# Altium PCB VESC_KS75600.PcbDoc (part 1 of 3)
Units mm, origin at the board's own origin, x right, y up, seen from the top; angles counter-clockwise.
Board outline 174 x 106 mm, 4 copper layers (TL, S1, S2, BL), stack 1.58 mm thick; 300 components, 160 nets, 892 pads, 642 vias.
Unrouted connection lines stored in the file: 213.
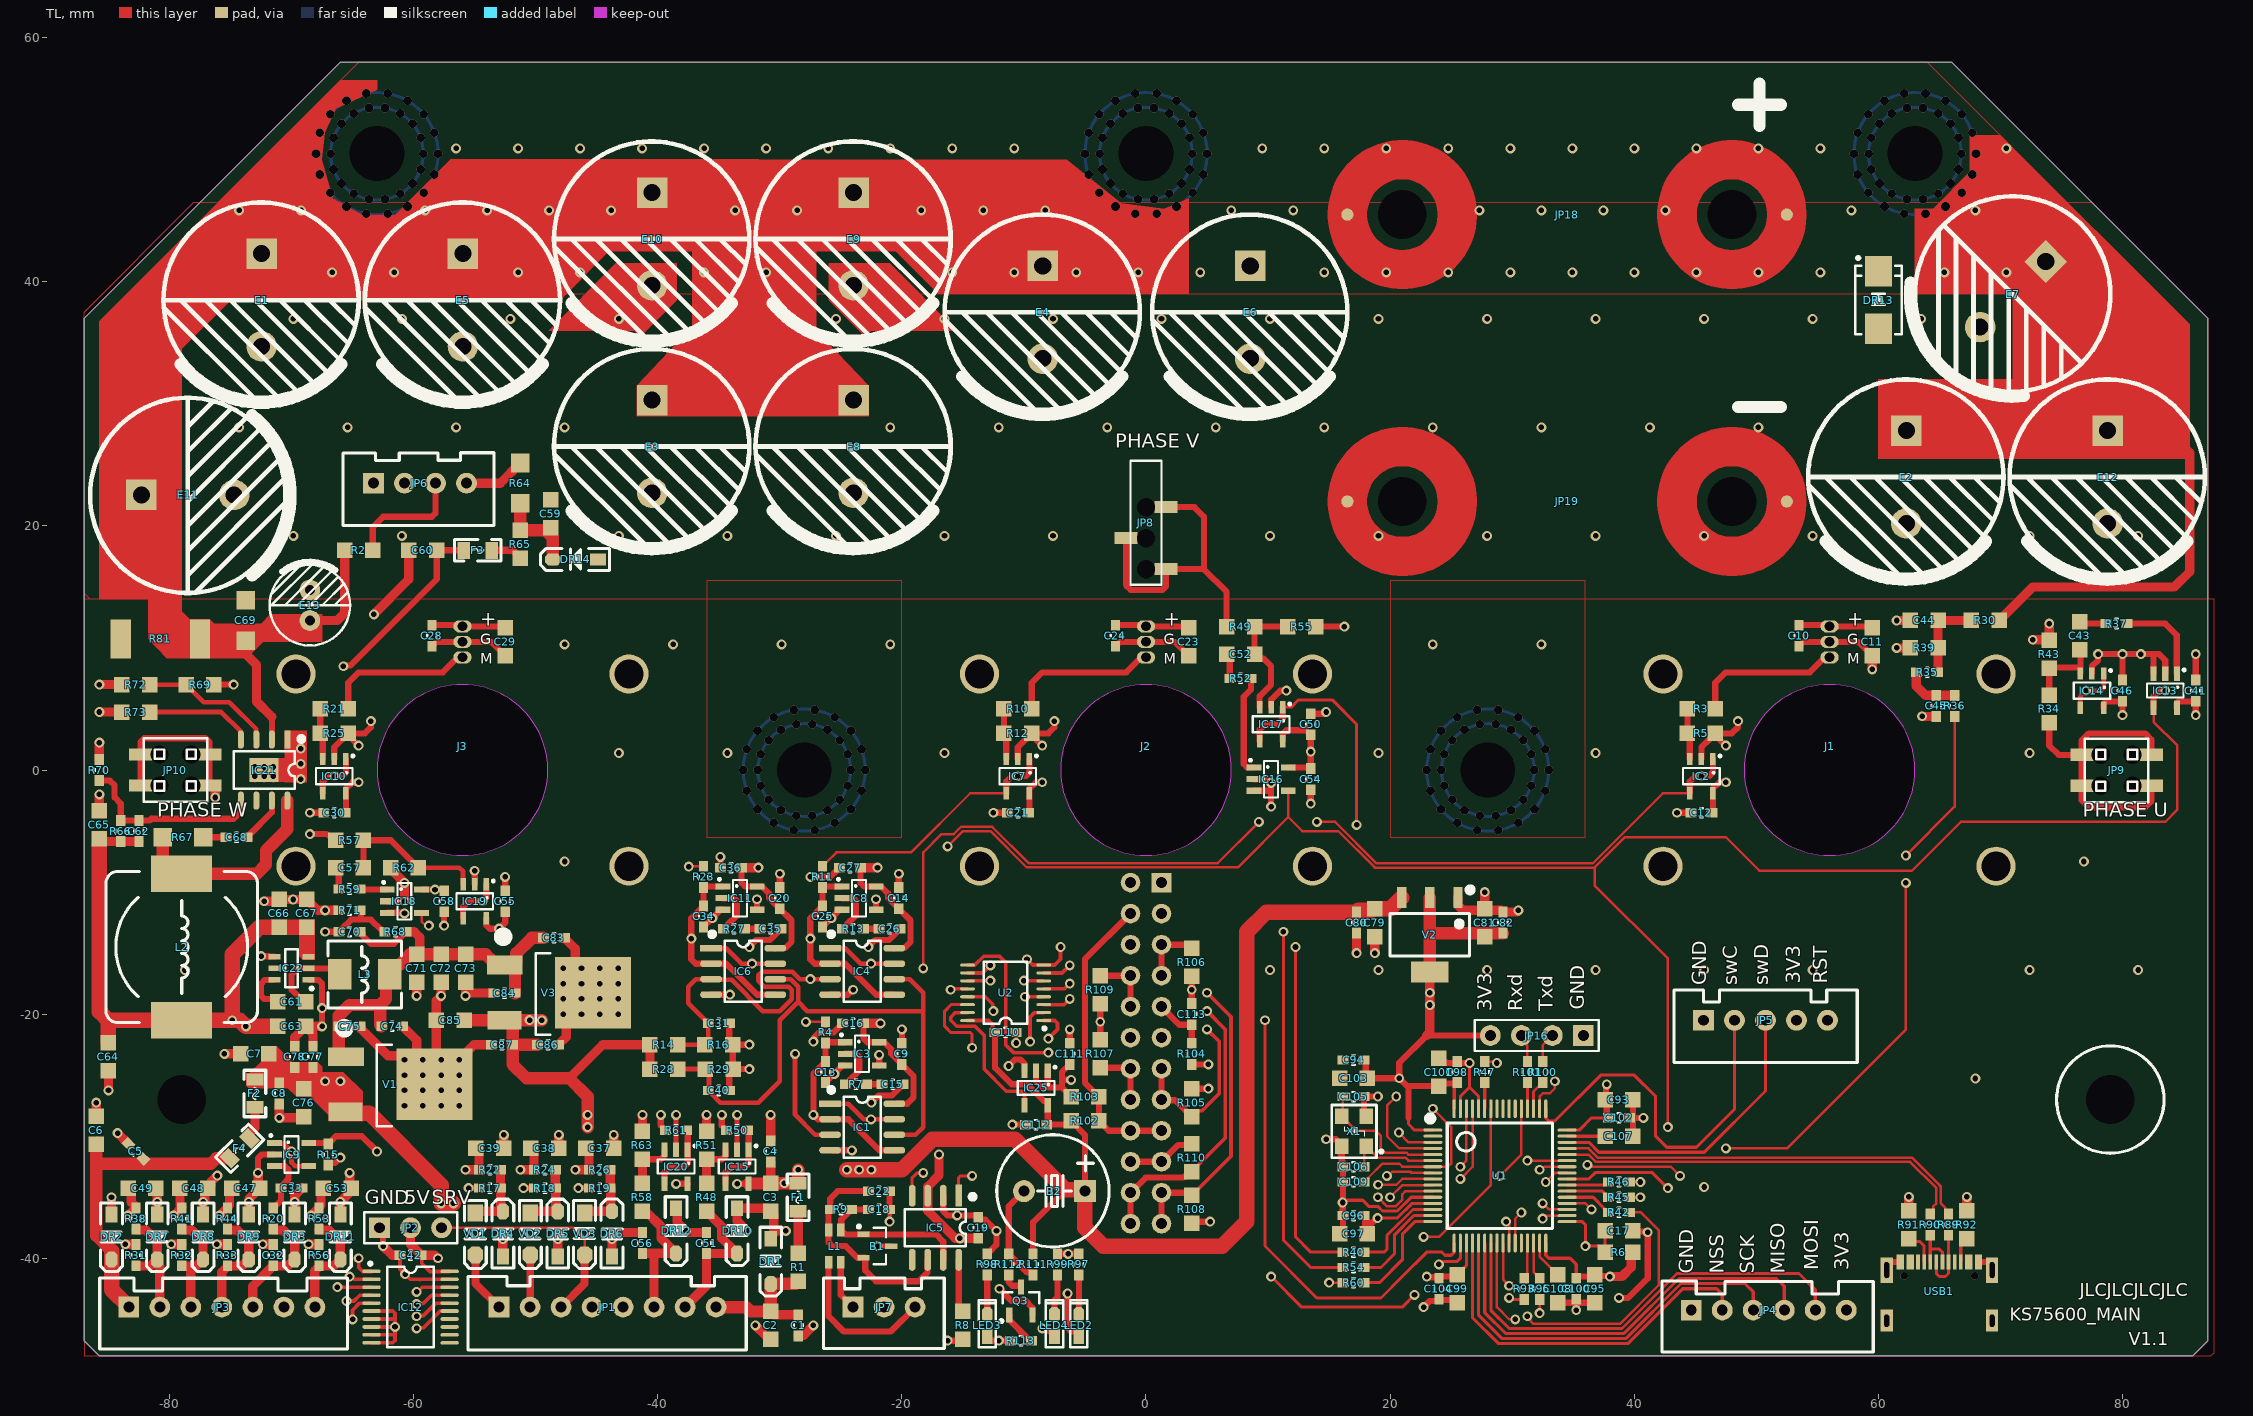
[diagram p0: TL view]
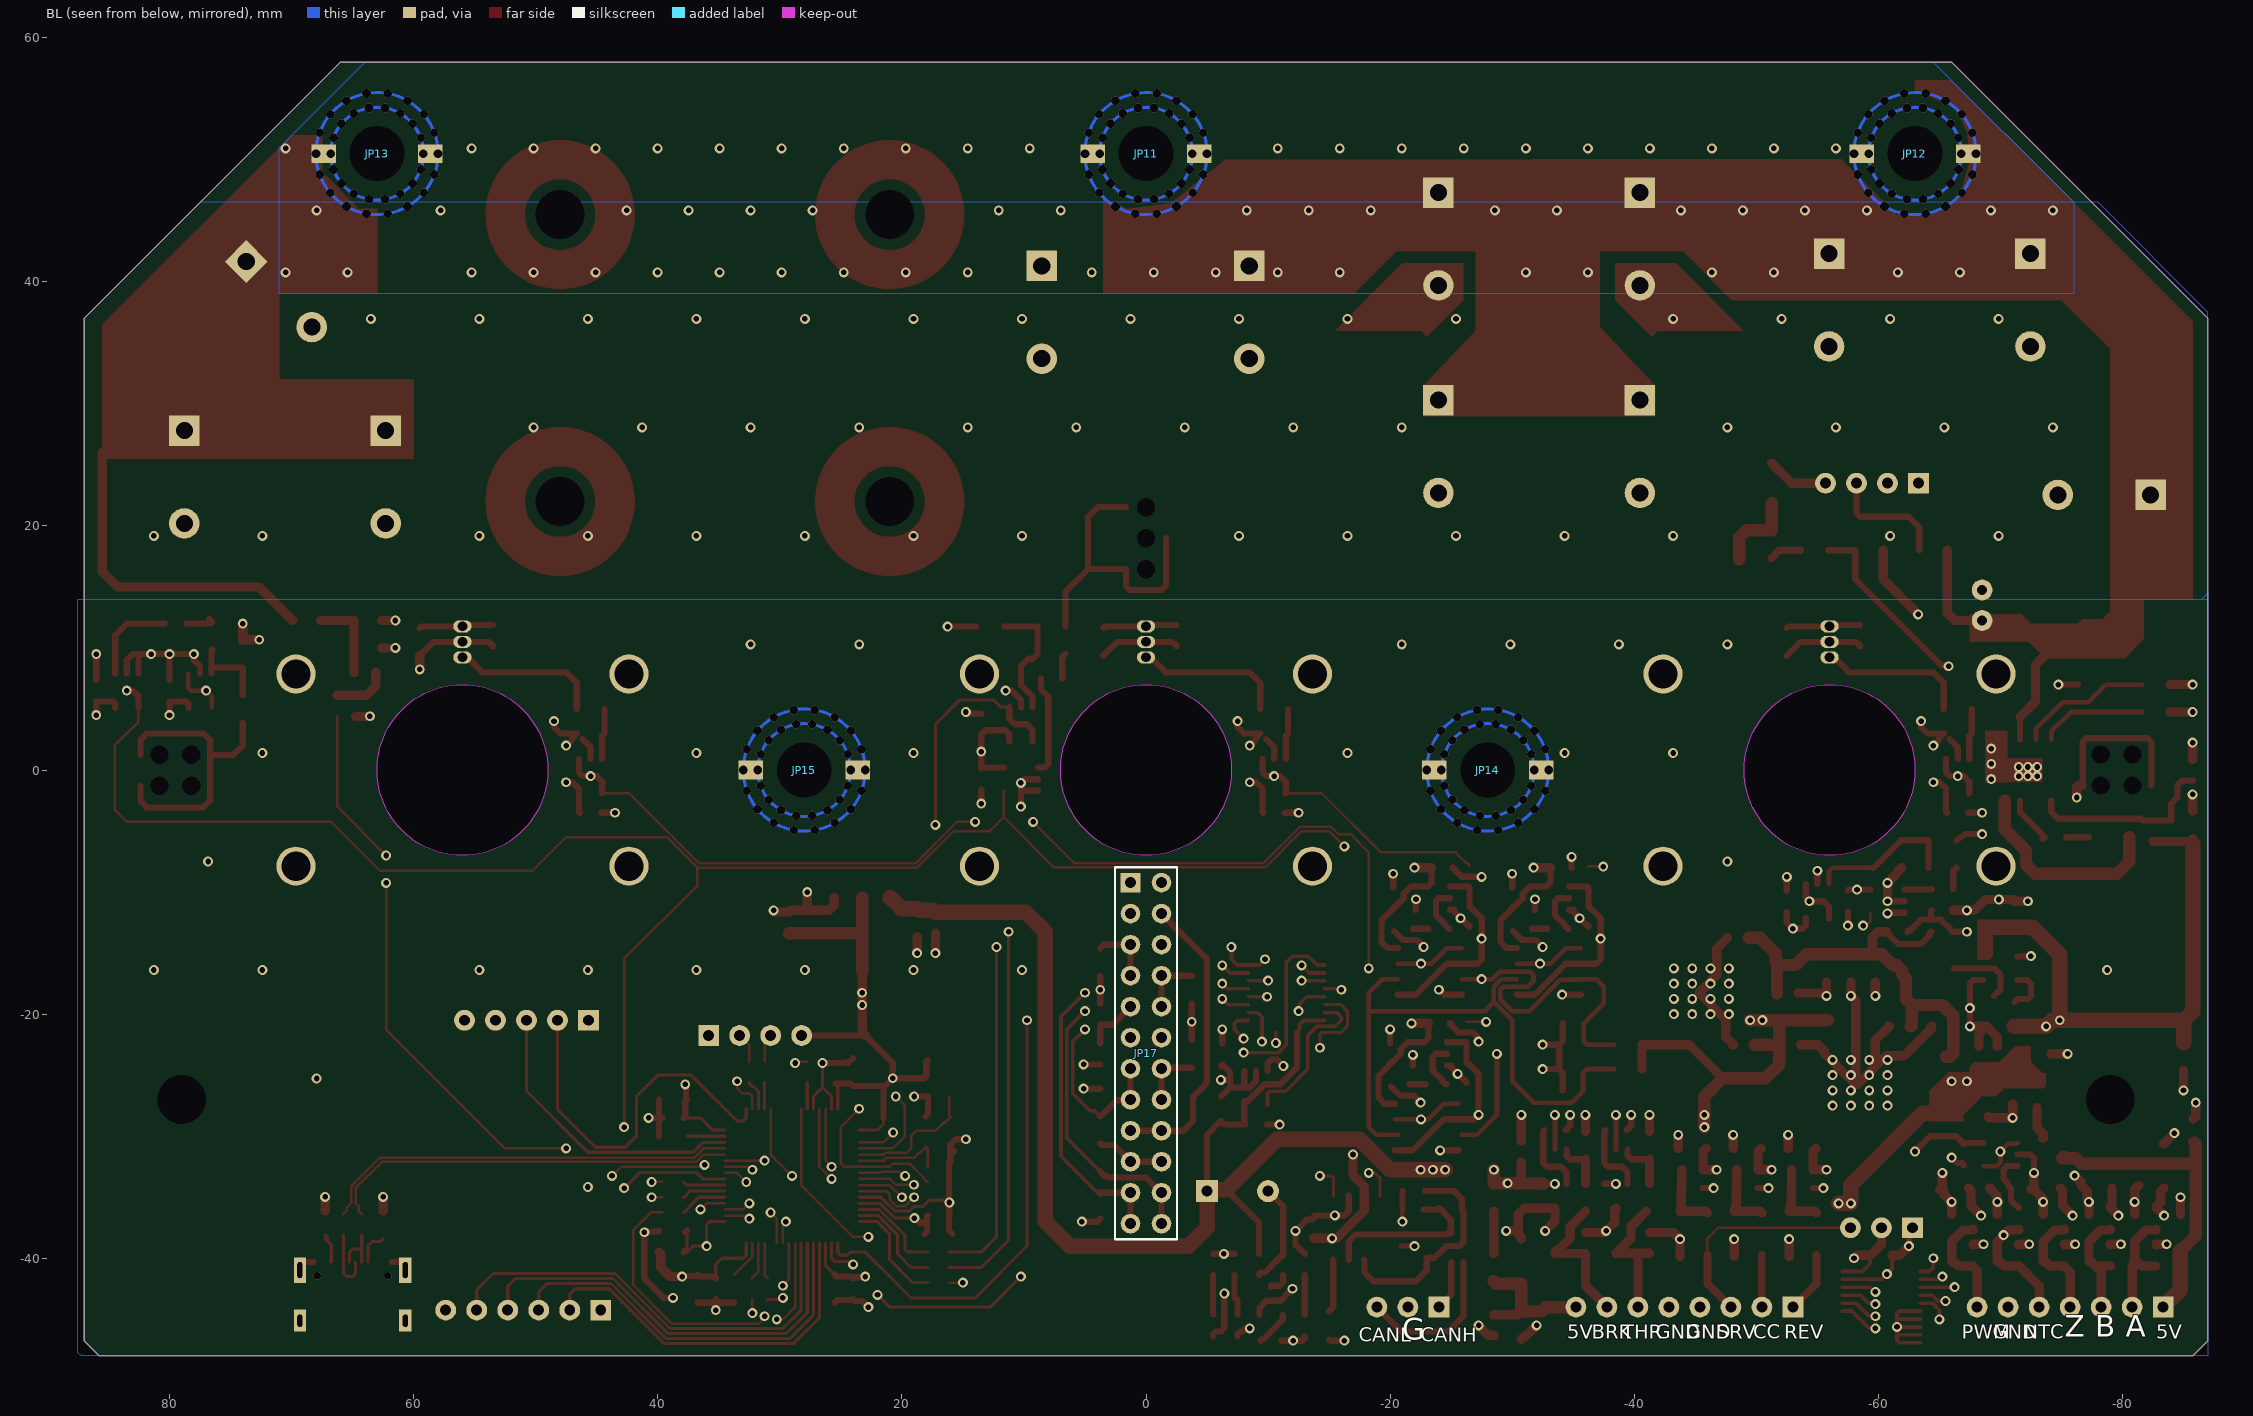
[diagram p1: BL view, seen from below]
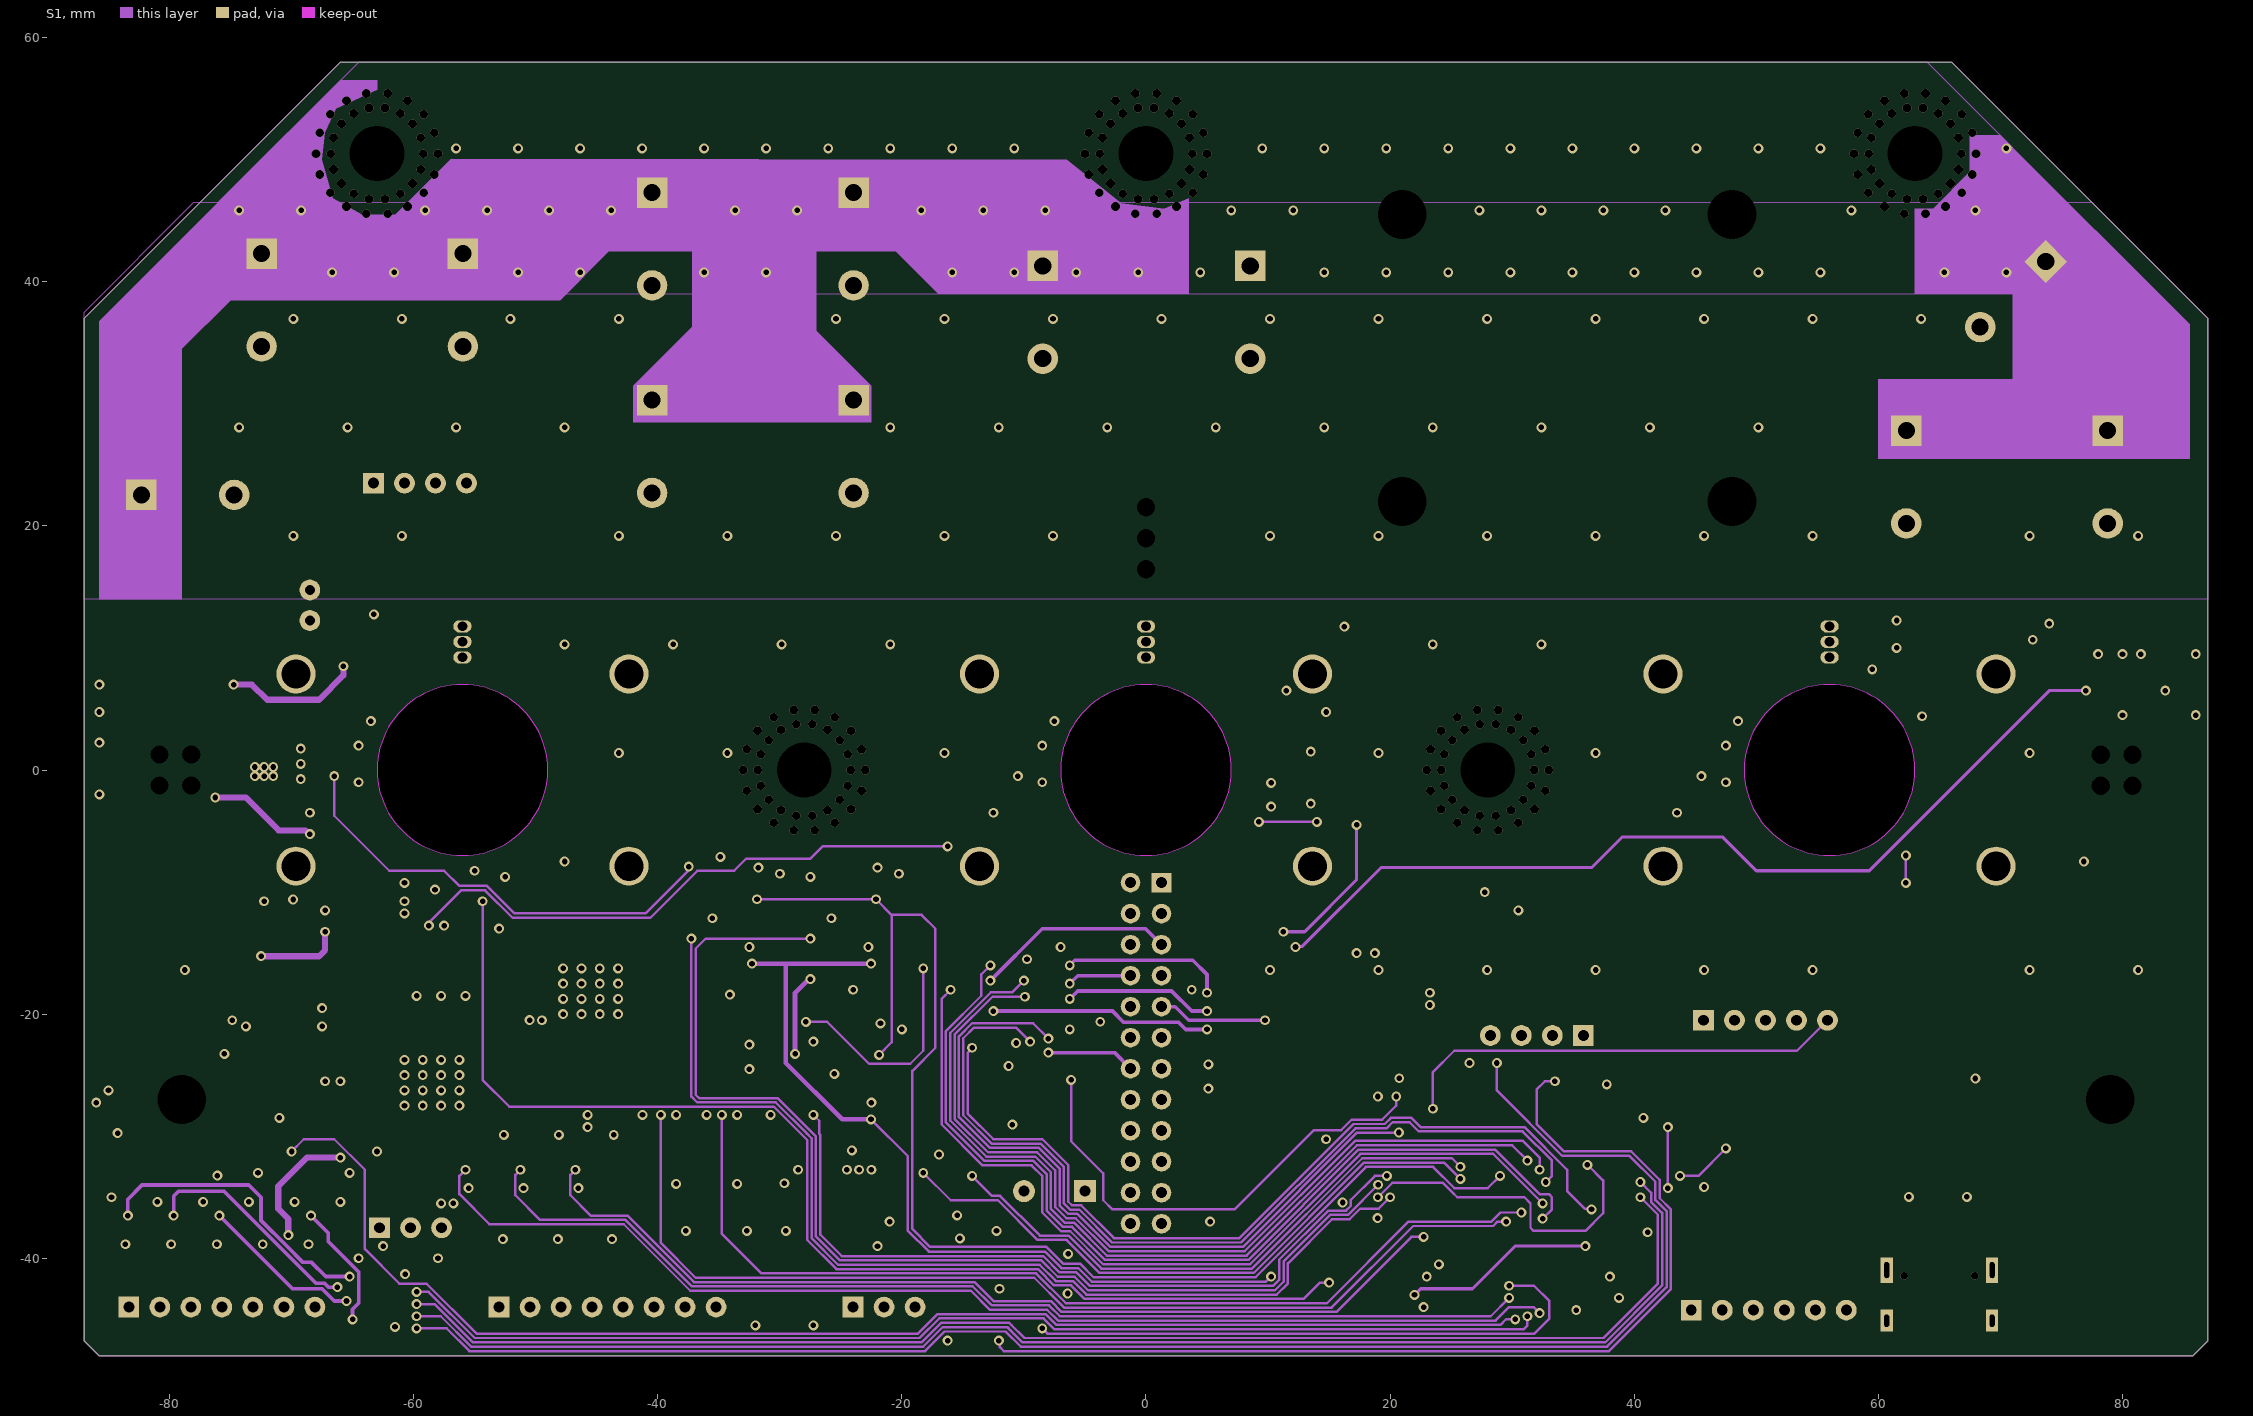
[diagram p2: S1]
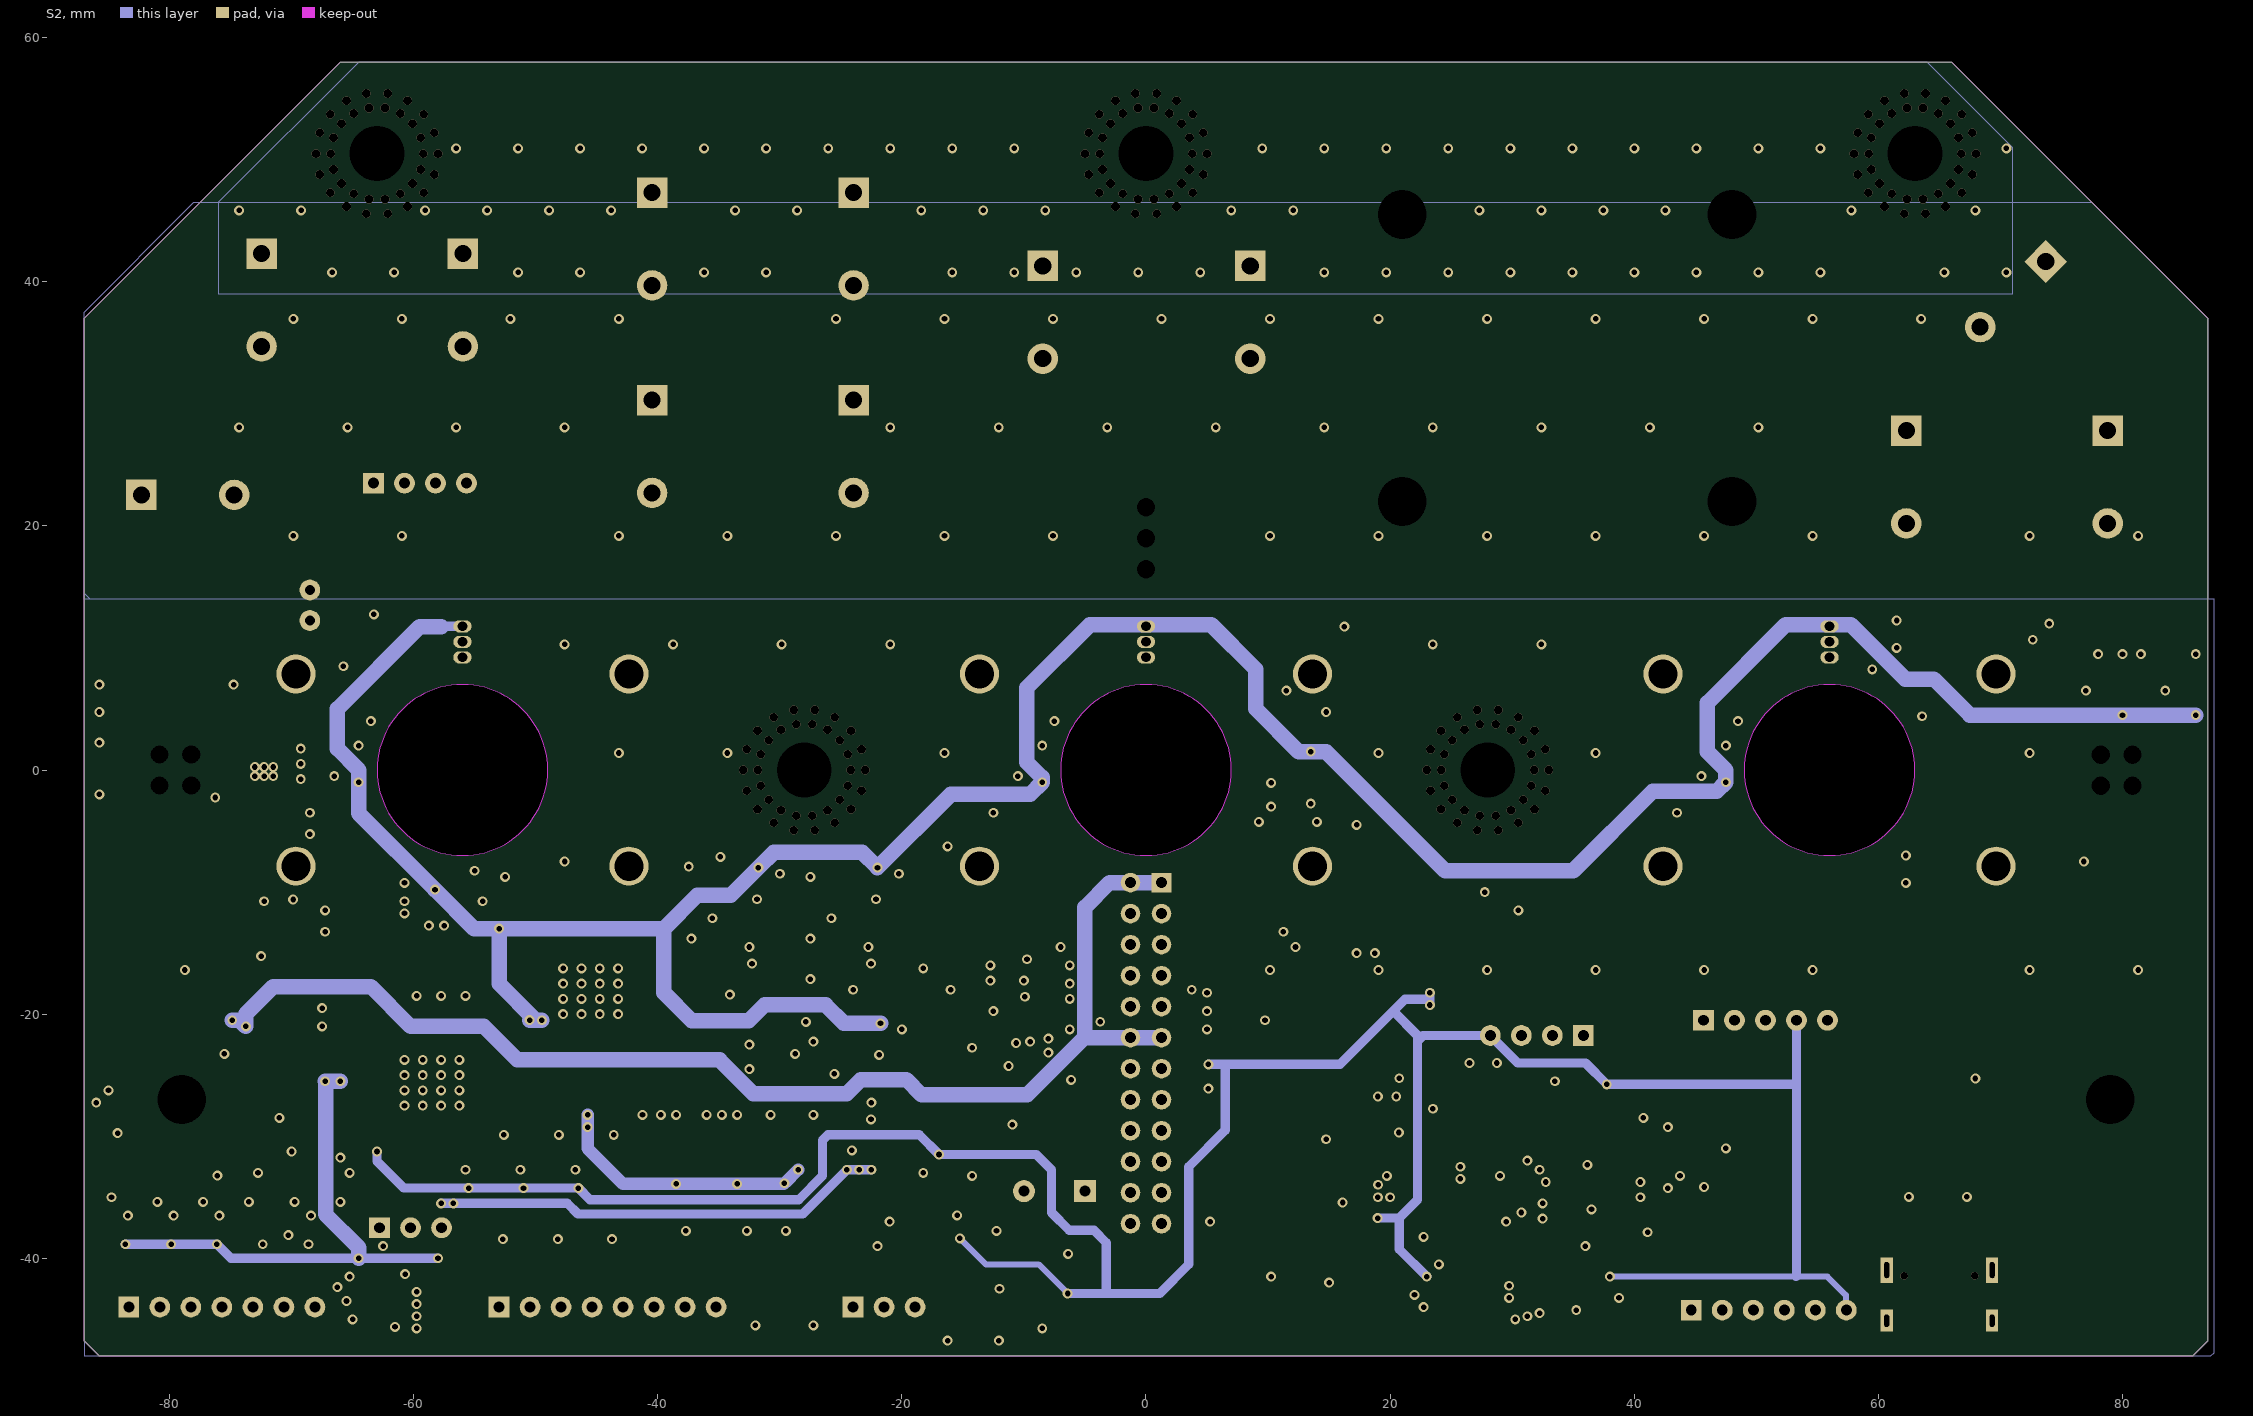
[diagram p3: S2]

## Layer stack, top to bottom
Top Solder: solder mask 0.01, Solder Resist, Dk 3.5
TL: signal copper 0.01
Dielectric 2: prepreg 0.01, PP-006, Dk 4.1
S1: signal copper 0.01
Dielectric 1: dielectric 1.52, FR-4, Dk 4.8
S2: signal copper 0.01
Dielectric 3: prepreg 0.01, PP-006, Dk 4.1
BL: signal copper 0.01
Bottom Solder: solder mask 0.01, Solder Resist, Dk 3.5

## Board outline
-87,-46.75 -85.75,-48 85.75,-48 87,-46.75 87,37 66,58 -66,58 -87,37
cut-out: 49,0 ccw(c56,0) 56,-7 ccw(c56,0) 63,0 ccw(c56,0) 56,7 ccw(c56,0)
cut-out: -7,0 ccw(c0,0) 0,-7 ccw(c0,0) 7,0 ccw(c0,0) 0,7 ccw(c0,0)
cut-out: -63,0 ccw(c-56,0) -56,-7 ccw(c-56,0) -49,0 ccw(c-56,0) -56,7 ccw(c-56,0)

## Design rules (kind name [scope] priority, off if disabled: settings)
BoardOutlineClearance [All] p1: gap=0.3 ignorepadtopadclearanceinfootprint=FALSE except(0: Text-OutlineEdge Text-CavityEdge Text-CutoutEdge Text-SplitBarrior Text-SplitContinuation)
Clearance 相线 [InNetClass('相线')] p1: gap=0.8 ignorepadtopadclearanceinfootprint=TRUE
Clearance 120v [InNet('VCC120')] p2: gap=0.8 ignorepadtopadclearanceinfootprint=FALSE
Clearance GND [InNet('GND')and InPolygon] p3: gap=0.8 ignorepadtopadclearanceinfootprint=FALSE
Clearance [All] p4: gap=0.152 ignorepadtopadclearanceinfootprint=TRUE
ComponentClearance [All] p1: gap=0.254 collisioncheckmode=3 verticalgap=0.254 showdistances=TRUE donotcheckwithout3dbody=TRUE
Height [All] p1: minheight=0 maxheight=60 prefheight=12.7
HoleSize [All] p1: absolutevalues=TRUE maxlimit=12.7 minlimit=0.305 maxpercent=80.000 minpercent=20.000
MinimumSolderMaskSliver [All] p1: minsoldermaskwidth=0
PolygonConnect [All] p1: connectstyle=Direct reliefconductorwidth=0.254 reliefentries=4 polygonreliefangle="90 Angle" airgapwidth=0.254
RoutingVias [All] p1: holewidth=0.457 width=0.813 viastyle="Through Hole" minholewidth=0.305 minwidth=0.61 maxholewidth=25.375 maxwidth=25.375
SilkToSilkClearance [All] p1: silktosilkclearance=0
SilkToSolderMaskClearance [IsPad] p1: minsilkscreentomaskgap=0 clearancetoexposedcopper=TRUE
SolderMaskExpansion [All] p1: expansion=0.102 istentingtop=FALSE
Width [All] p1: maxlimit=25.375 minlimit=0.152 preferedwidth=0.305
24 further rules are at their usual default settings.

## Classes and differential pairs
net class 相线: PHASE_U PHASE_V PHASE_W
component class VESC_KS75600_mos_driver_conn: 3 C110 C111 C112 C113 IC25 JP17 R102 R103 R104 R105 R106 R107 R108 R109 R110 U2
component class VESC_KS75600_motor_mcu: B2 C93 C94 C95 C96 C97 C98 C99 C100 C101 C102 C103 C104 C105 C106 C107 C108 C109 JP16 LED2 LED3 LED4 Q3 R89 R90 R91 R92 R93 R95 R97 R98 R99 R100 R101 R111 R112 R113 U1 USB1 X1
component class VESC_KS75600_power: C59 C60 C61 C62 C63 C64 C65 C66 C67 C68 C69 C70 C71 C72 C73 C74 C75 C76 C77 C78 C79 C80 C81 C82 C83 C84 C85 C86 C87 DR13 DR14 E1 E2 E3 E4 E5 E6 E7 E8 E9 E10 E11 E12 E13 F3 IC21 IC22 JP11 JP12 JP13 JP14 JP15 JP18 JP19 L2 L3 R64 R65 R66 R67 R68 R69 R70 R71 R72 R73 R81 V1 V2 V3
component class VESC_KS75600_ana_con: B1 C1 C2 C3 C4 C5 C6 C7 C8 C9 C10 C11 C12 C13 C14 C15 C16 C17 C18 C19 C20 C21 C22 C23 C24 C25 C26 C27 C28 C29 C30 C31 C32 C33 C34 C35 C36 C37 C38 C39 C40 C41 C42 C43 C44 C45 C46 C47 C48 C49 C50 C51 C52 C53 C54 C55 C56 C57 C58 DR1 DR2 DR3 DR4 DR5 DR6 DR7 DR8 DR9 DR10 DR11 DR12 F1 F2 F4 IC1 IC2 IC3 IC4 IC5 IC6 IC7 IC8 IC9 IC10 IC11 IC12 IC13 IC14 IC15 IC16 IC17 IC18 IC19 IC20 J1 J2 J3 JP1 JP2 JP3 JP4 JP5 JP6 JP7 JP8 JP9 JP10 L1 R1 R2 R3 R4 R5 R6 R7 R8 R9 R10 R11 R12 R13 R14 R15 R16 R17 R18 R19 R20 R21 R22 R23 R24 R25 R26 R27 R28 R29 R30 R31 R32 R33 R34 R35 R36 R37 R38 R39 R40 R41 R42 R43 R44 R45 R46 R47 R48 R49 R50 R51 R52 R53 R54 R55 R56 R57 R58 R59 R60 R61 R62 R63 VD1 VD2 VD3

## Components (designator, comment, footprint, x,y, rotation, side; value= is the part's Value field where it differs from the comment)
B1 "PESD1CAN" SOT23-3L -22,-39 r270 top
B2 "DC5V" "BEEP 5x9x5.5" -7.5,-34.5 r90 top
C1 "100nf 50v" "C 0603" -28.5,-45.5 r270 top value=100nf
C2 "10uf 16v" "C 0805" -30.75,-45.5 r270 top value=10uf
C3 "10uf 16v" "C 0805" -30.75,-35 r270 top value=10uf
C4 "100nf 50v" "C 0603" -30.75,-31.25 r90 top value=100nf
C5 "100nf 50v" "C 0603" -82.75,-31.25 r135 top value=100nf
C6 "10uf 16v" "C 0805" -86,-29.5 r90 top value=10uf
C7 "10uf 16v" "C 0805" -73,-23.25 r180 top value=10uf
C8 "100nf 50v" "C 0603" -71,-26.5 r270 top value=100nf
C9 "100nf 50v" "C 0603" -20,-23.25 r90 top value=100nf
C10 "100nf 50v" "C 0603" 53.5,11 r270 top value=100nf
C11 "10uf 16v" "C 0805" 59.5,10.5 r90 top value=10uf
C12 "100nf 50v" "C 0603" 45.5,-3.5 r180 top value=100nf
C13 "1nf 16v" "C 0603" -26.25,-24.75 r270 top value=1nf
C14 "100nf 50v" "C 0603" -20.25,-10.5 r90 top value=100nf
C15 "15nf 16v" "C 0603" -20.75,-25.75 r0 top value=15nf
C16 "100nf 50v" "C 0603" -24,-20.75 r180 top value=100nf
C17 "470pf 100v" "C 0805" 38.75,-37.75 r0 top value=470pf
C18 "100pf 16v" "C 0603" -21.864,-36 r0 top value=100pf
C19 "100nf 50v" "C 0603" -13.75,-37.5 r90 top value=100nf
C20 "100nf 50v" "C 0603" -30,-10.5 r90 top value=100nf
C21 "100nf 50v" "C 0603" -10.5,-3.5 r180 top value=100nf
C22 "100pf 16v" "C 0603" -21.864,-34.5 r180 top value=100pf
C23 "10uf 16v" "C 0805" 3.5,10.5 r90 top value=10uf
C24 "100nf 50v" "C 0603" -2.5,11 r270 top value=100nf
C25 "1nf 16v" "C 0603" -26.5,-12 r270 top value=1nf
C26 "15nf 16v" "C 0603" -21,-13 r0 top value=15nf
C27 "100nf 50v" "C 0603" -24.25,-8 r180 top value=100nf
C28 "100nf 50v" "C 0603" -58.5,11 r270 top value=100nf
C29 "10uf 16v" "C 0805" -52.5,10.5 r90 top value=10uf
C30 "100nf 50v" "C 0603" -66.5,-3.5 r180 top value=100nf
C31 "100nf 50v" "C 0603" -35,-20.75 r180 top value=100nf
C32 "100pf 16v" "C 0603" -71.5,-39.75 r270 top value=100pf
C33 "100nf 50v" "C 0603" -70,-34.25 r180 top value=100nf
C34 "1nf 16v" "C 0603" -36.25,-12 r270 top value=1nf
C35 "15nf 16v" "C 0603" -30.75,-13 r0 top value=15nf
C36 "100nf 50v" "C 0603" -34,-8 r180 top value=100nf
C37 "100nf 50v" "C 0805" -44.75,-31 r180 top value=100nf
C38 "100nf 50v" "C 0805" -49.25,-31 r180 top value=100nf
C39 "100nf 50v" "C 0805" -53.75,-31 r180 top value=100nf
C40 "100nf 50v" "C 0603" -35,-26.25 r180 top value=100nf
C41 "100nf 50v" "C 0603" 86,6.5 r90 top value=100nf
C42 "100nf 50v" "C 0603" -60.25,-39.75 r180 top value=100nf
C43 "100nf 50v" "C 0805" 76.5,11 r270 top value=100nf
C44 "100nf 50v" "C 0805" 63.75,12.25 r180 top value=100nf
C45 "1nf 16v" "C 0603" 64.75,5.25 r270 top value=1nf
C46 "100nf 50v" "C 0603" 80,6.5 r90 top value=100nf
C47 "470pf 100v" "C 0805" -73.75,-34.25 r180 top value=470pf
C48 "470pf 100v" "C 0805" -78,-34.25 r180 top value=470pf
C49 "470pf 100v" "C 0805" -82.25,-34.25 r180 top value=470pf
C50 "100nf 50v" "C 0603" 13.5,3.75 r90 top value=100nf
C51 "100pf 16v" "C 0603" -36,-38.75 r270 top value=100pf
C52 "100nf 50v" "C 0805" 7.75,9.5 r0 top value=100nf
C53 "100pf 16v" "C 0805" -66.25,-34.25 r180 top value=100pf
C54 "100nf 50v" "C 0603" 13.5,-0.75 r270 top value=100nf
C55 "100nf 50v" "C 0603" -52.5,-10.75 r90 top value=100nf
C56 "100pf 16v" "C 0603" -41.25,-38.75 r270 top value=100pf
C57 "100nf 50v" "C 0805" -65.25,-8 r0 top value=100nf
C58 "100nf 50v" "C 0603" -57.5,-10.75 r270 top value=100nf